# Allegro board 1156197-TDI_VU3P_QSFP28_CXP_V001_1023A-166-20241121_1644_PCB.brd (continued)
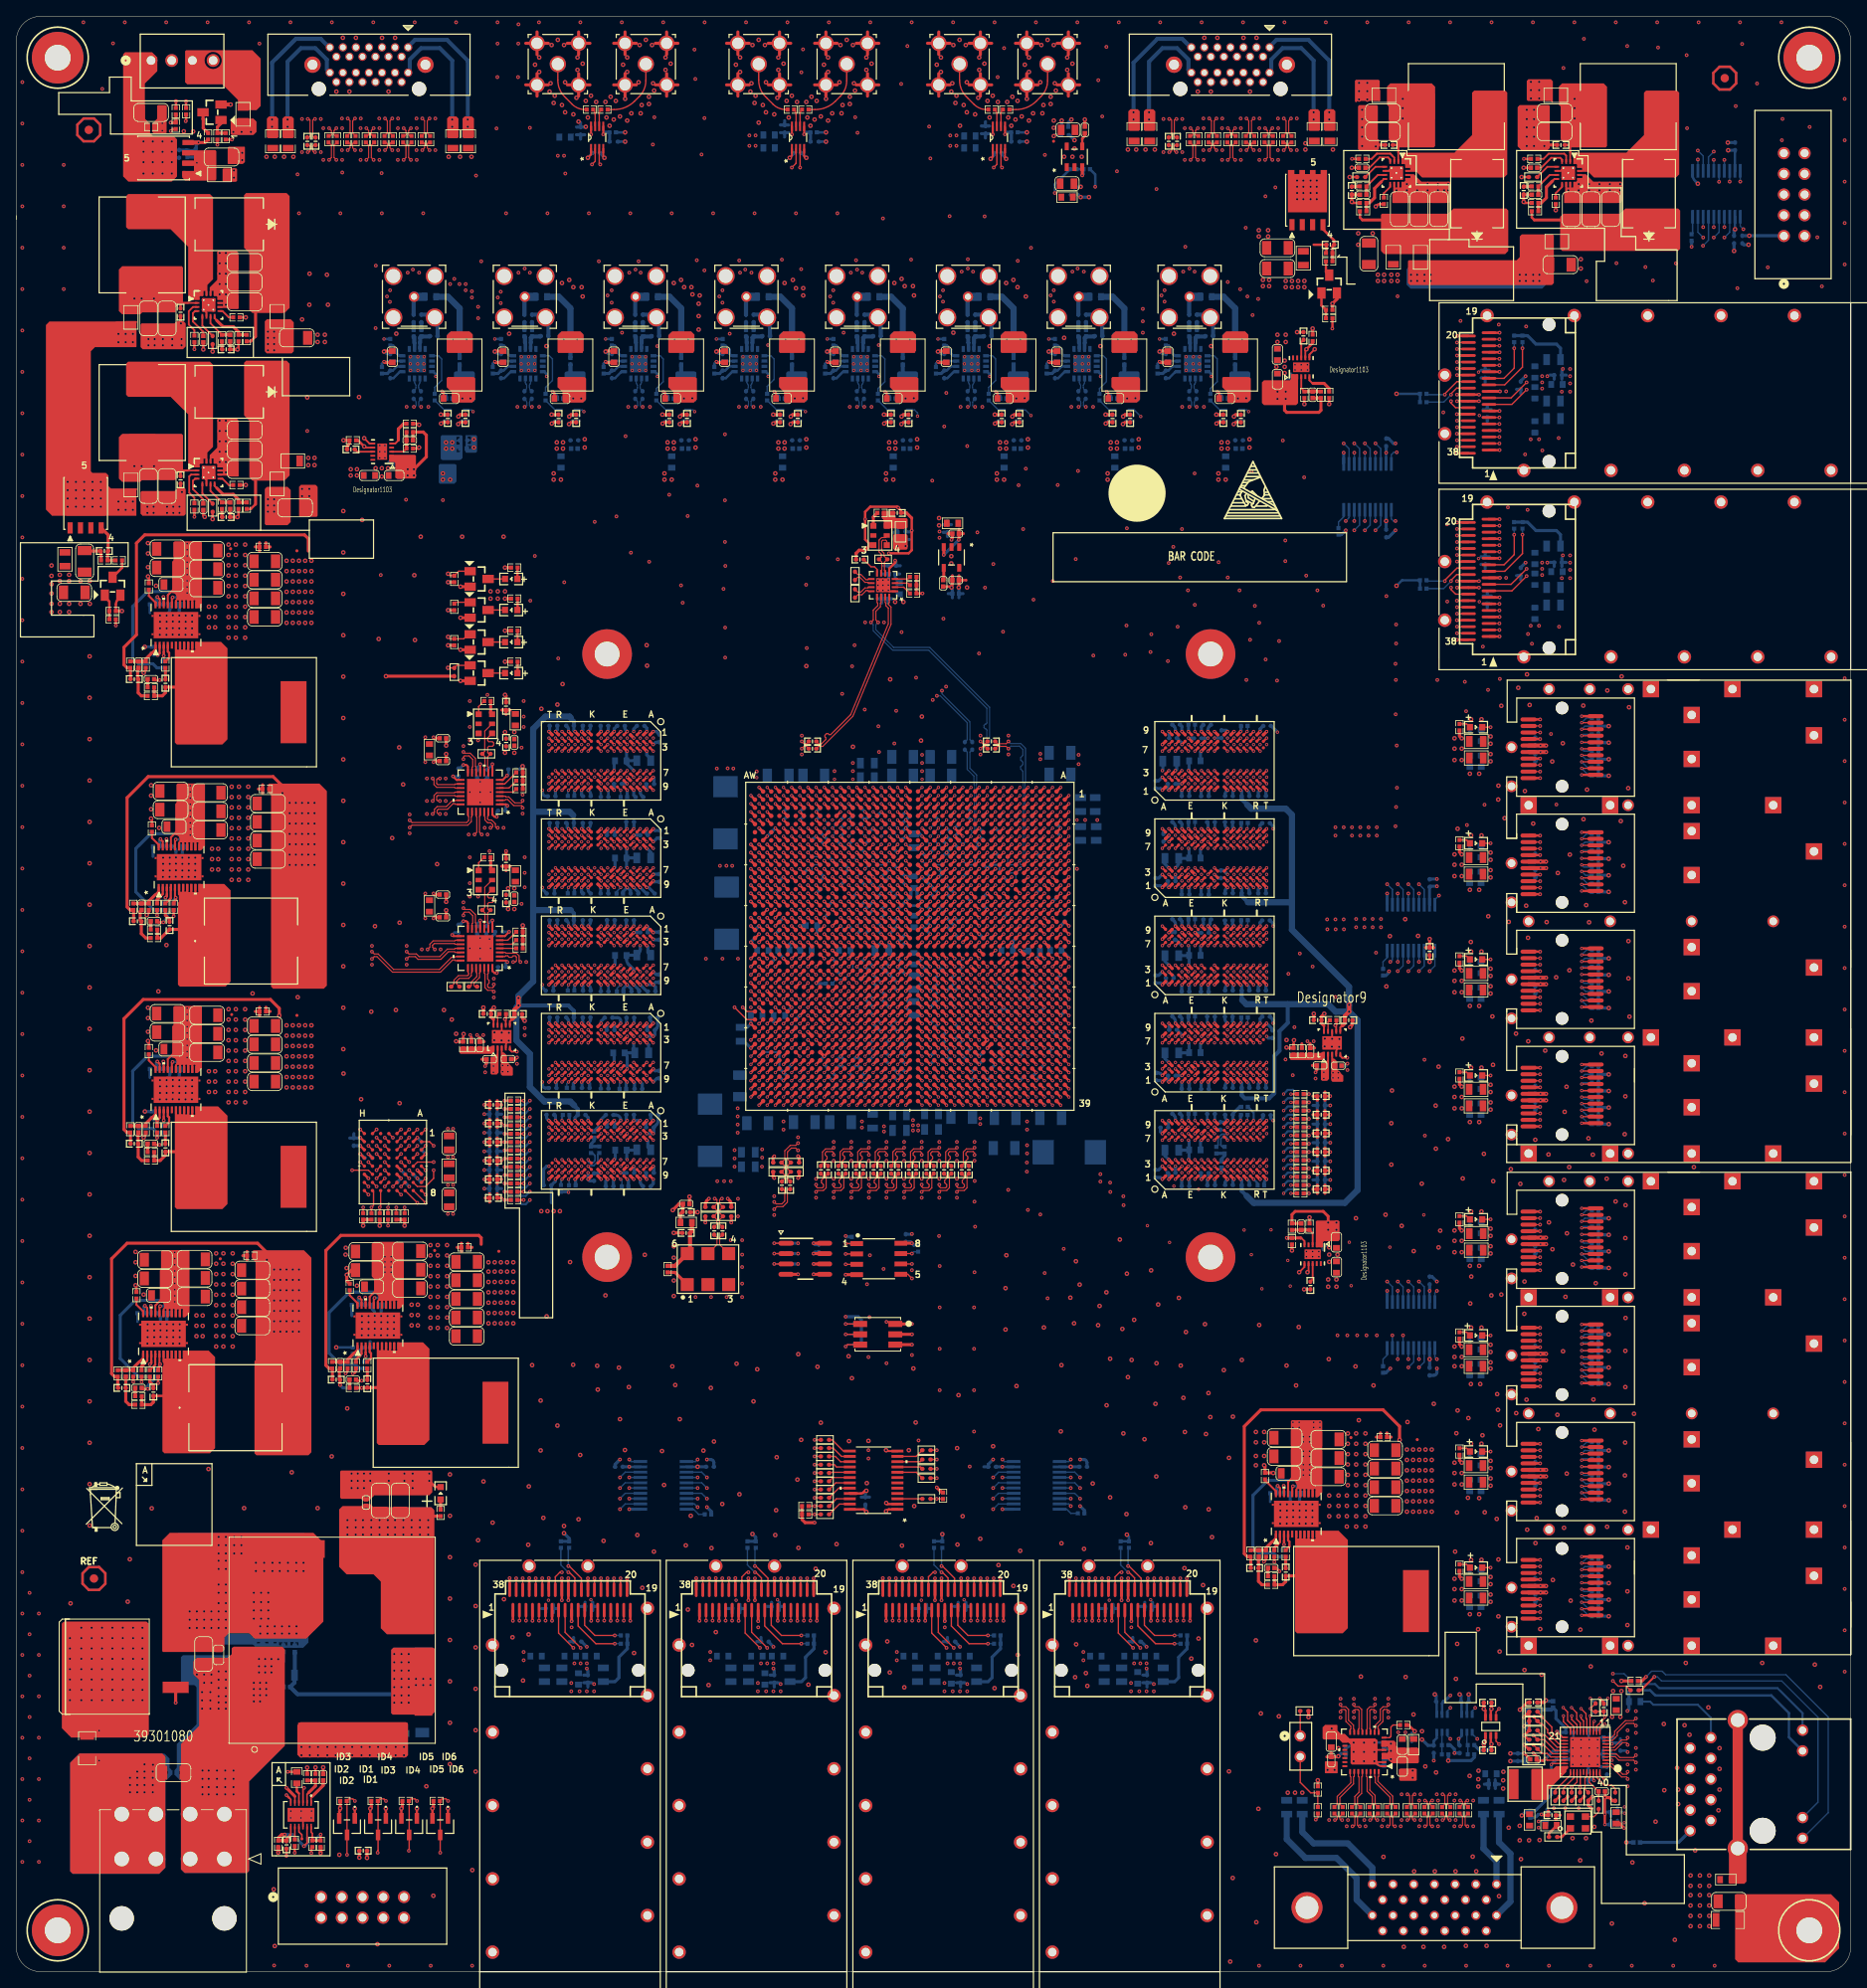
[diagram p0: board, top side]
## Placement (name value [footprint] x y rotation side) (continued)
C781  0.1UF  [C0402_BGA]  128.63 225.43 0 bottom
C782  10uF  [C0402]  95.63 186.94 0 bottom
C783  10uF  [C0402]  149.99 186.94 0 bottom
C784  10nF  [C0402]  131.06 226.06 270 top
C785  0.1UF  [C0402_BGA]  95.63 187.96 0 bottom
C786  0.1UF  [C0402_BGA]  149.99 187.96 0 bottom
C787  10nF  [C0402]  34.16 39.62 90 bottom
C788  10uF  [C1206]  27.99 39.52 270 bottom
C789  10uF  [C1206]  23.47 39.5 270 bottom
C790  1UF  [C0603]  24.82 38.89 90 top
C791  0.1UF  [C0402]  30.73 39.62 90 bottom
C792  1000PF  [C0402]  31.75 39.62 90 bottom
C793  10uF  [C1206]  21.21 39.5 270 bottom
C794  0.1UF  [C0402]  29.72 39.62 90 bottom
C795  10uF  [C1206]  47.09 57.84 90 top
C796  10uF  [C1206]  44.68 57.84 90 top
C797  0.1UF  [C0402]  42.9 57.58 270 top
C798  10nF  [C0402]  33.2 34.95 0 bottom
C799  1000pF  [C1206]  49.78 30.68 270 bottom
C800  10uF  [C1206]  19.28 24.43 0 top
C801  10nF  [C0402]  19.28 24.43 180 bottom
C802  10uF  [C1206]  25.7 39.52 270 bottom
C803  10uF  [C1206]  22.99 38.99 270 top
C804  0.1UF  [C0402]  32.77 39.62 90 bottom
C805  0.1UF  [C0402_BGA]  33.13 15.58 270 top
C806  47nF  [C0402]  37.64 23.88 90 top
C807  10uF  [C1206]  18.49 182.35 270 top
C808  10uF  [C1206]  16.21 182.35 270 top
C809  10uF  [C1206]  16.21 182.35 270 bottom
C810  0.1UF  [C0402_BGA]  20.14 183.11 270 top
C811  10uF  [C1206]  28.02 186.79 180 top
C812  10uF  [C1206]  28.02 189.2 180 top
C813  10uF  [C1206]  28.02 184.38 180 top
C814  10uF  [C1206]  34.2 179.67 0 top
C815  47nF  [C0402]  22.94 179.81 90 top
C816  100PF  [C0402]  26.24 179.93 270 top
C817  0.1UF  [C0402_BGA]  25.73 178.54 0 top
C818  10uF  [C1206]  18.49 202.92 270 top
C819  10uF  [C1206]  16.21 202.92 270 bottom
C820  10uF  [C1206]  16.21 202.92 270 top
C821  10uF  [C1206]  28.02 209.78 180 top
C822  10uF  [C1206]  28.02 207.37 180 top
C823  10uF  [C1206]  28.02 204.95 180 top
C824  10uF  [C1206]  34.42 200.53 0 top
C825  0.1UF  [C0402_BGA]  20.14 203.68 270 top
C826  47nF  [C0402]  22.94 200.38 90 top
C827  100PF  [C0402]  26.24 200.51 270 top
C828  0.1UF  [C0402_BGA]  25.73 199.11 0 top
C829  10uF  [C1206]  167.61 228.14 180 bottom
C830  10uF  [C1206]  167.61 225.86 180 top
C831  10uF  [C1206]  167.61 228.14 180 top
C832  10uF  [C1206]  169.65 216.33 90 top
C833  10uF  [C1206]  172.06 216.33 90 top
C834  10uF  [C1206]  174.47 216.33 90 top
C835  0.1UF  [C0402_BGA]  168.38 224.21 180 top
C836  10uF  [C1206]  165.9 210.86 90 top
C837  47nF  [C0402]  165.07 221.41 0 top
C838  100PF  [C0402]  165.2 218.11 180 top
C839  0.1UF  [C0402_BGA]  163.8 218.62 270 top
C840  10uF  [C1206]  188.7 228.14 180 bottom
C841  10uF  [C1206]  188.7 225.86 180 top
C842  10uF  [C1206]  188.7 228.14 180 top
C843  10uF  [C1206]  193.14 216.33 90 top
C844  10uF  [C1206]  195.55 216.33 90 top
C845  10uF  [C1206]  189.39 209.51 0 top
C846  10uF  [C1206]  190.73 216.33 90 top
C847  0.1UF  [C0402_BGA]  189.46 224.21 180 top
C848  47nF  [C0402]  186.16 221.41 0 top
C849  100PF  [C0402]  186.28 218.11 180 top
C850  0.1UF  [C0402_BGA]  184.89 218.62 270 top
C851  0.47UF  [C0402_BGA]  108.05 179.04 0 top
C852  0.47UF  [C0402_BGA]  109.07 176.25 90 bottom
C853  10uF  [C0402]  108.05 176.25 90 bottom
C854  10uF  [C0402]  106.53 168.5 180 bottom
C855  10uF  [C0402]  107.42 171.55 180 bottom
C856  0.1UF  [C0402_BGA]  107.42 172.57 180 bottom
C857  0.1UF  [C0402_BGA]  103.48 173.33 0 top
C858  0.47UF  [C0402_BGA]  60.07 136.14 90 top
C859  0.47UF  [C0402_BGA]  60.07 131.7 270 top
C860  10uF  [C0402]  52.32 132.21 0 top
C861  10uF  [C0402]  61.09 131.7 270 top
C862  10uF  [C0402]  52.32 129.41 0 top
C863  0.1UF  [C0402_BGA]  57.66 127.89 270 bottom
C864  0.1UF  [C0402_BGA]  54.23 128.02 90 bottom
C865  0.1UF  [C0402_BGA]  59.56 123.32 0 bottom
C866  0.1UF  [C0402_BGA]  56.52 127.89 90 bottom
C867  0.1UF  [C0402_BGA]  59.18 127.64 0 bottom
C868  0.47UF  [C0402_BGA]  60.07 155.32 90 top
C869  0.47UF  [C0402_BGA]  60.07 150.88 270 top
C870  10uF  [C0402]  61.09 150.88 270 top
C871  10uF  [C0402]  52.32 151.38 0 top
C872  10uF  [C0402]  52.32 148.59 0 top
C873  0.1UF  [C0402_BGA]  59.56 142.49 0 bottom
C874  0.1UF  [C0402_BGA]  57.78 147.07 270 bottom
C875  0.1UF  [C0402_BGA]  54.23 147.19 90 bottom
C876  0.1UF  [C0402_BGA]  56.52 147.07 90 bottom
C877  0.1UF  [C0402_BGA]  60.83 147.57 180 bottom
C878  0.1UF  [C0402_BGA]  104.14 57.78 90 bottom
C879  0.1UF  [C0402_BGA]  141.35 224.66 270 top
C880  0.1UF  [C0402_BGA]  142.37 224.66 270 top
C881  0.1UF  [C0402_BGA]  35.69 224.66 270 top
C882  0.1UF  [C0402_BGA]  36.7 224.66 270 top
C883  0.1UF  [C0402_BGA]  94.23 226.19 90 bottom
C884  0.1UF  [C0402_BGA]  95.76 223.22 0 bottom
C885  0.1UF  [C0402_BGA]  69.22 225.93 90 bottom
C886  0.1UF  [C0402_BGA]  71.12 223.22 0 bottom
C887  0.1UF  [C0402_BGA]  118.87 226.06 90 bottom
C888  0.1UF  [C0402_BGA]  120.4 223.22 0 bottom
C889  0.1UF  [C0402]  170.76 28.75 0 bottom
C890  1UF  [C0603]  170 27.86 90 top
C891  1UF  [C0603]  161.29 28.24 90 top
C892  1UF  [C0603]  170 25.2 270 top
C893  0.1UF  [C0402]  161.29 25.96 90 top
C894  0.1UF  [C0402]  163.07 27.18 270 bottom
C895  0.1UF  [C0402]  167.77 25.7 90 bottom
C896  0.1UF  [C0402]  167.77 27.74 270 bottom
C897  1000pF  [C1206]  210.06 8.64 180 top
C898  22UF  [C1206]  25.17 222.73 0 top
C899  0.1UF  [C0402_BGA]  22 223.24 90 bottom
C900  0.1UF  [C0402_BGA]  19.96 223.11 90 bottom
C901  22UF  [C1206]  16.54 228.19 0 top
C902  22UF  [C1206]  8.38 173.1 270 top
C903  0.1UF  [C0402_BGA]  10.79 174.37 0 top
C905  22UF  [C1206]  7.11 169.29 0 top
C906  22UF  [C1206]  154.69 209.04 180 top
C907  22UF  [C1206]  154.69 211.58 180 top
C908  0.1UF  [C0402_BGA]  161.16 211.96 0 top
C909  0.1UF  [C0402_BGA]  111.6 130.35 90 bottom
C910  0.1UF  [C0402_BGA]  108.6 126.36 270 bottom
C911  0.1UF  [C0402_BGA]  111.6 128.36 90 bottom
C912  0.1UF  [C0402_BGA]  107.6 121.36 270 bottom
C913  0.1UF  [C0402_BGA]  105.6 121.36 270 bottom
C914  0.1UF  [C0402_BGA]  114.6 121.35 90 bottom
C915  0.1UF  [C0402_BGA]  105.6 128.36 270 bottom
C916  0.1UF  [C0402_BGA]  106.6 130.36 270 bottom
C917  0.1UF  [C0402_BGA]  107.6 136.36 270 bottom
C918  0.1UF  [C0402_BGA]  104.6 130.36 270 bottom
C919  0.1UF  [C0402_BGA]  177.04 27.3 90 bottom
C920  0.1UF  [C0402_BGA]  177.67 33.15 0 bottom
C922  0.1UF  [C0402_BGA]  174.62 33.15 0 bottom
C923  0.1UF  [C0402_BGA]  173.86 27.3 90 bottom
D1  BAT54SLT1G  [SOT-23]  51.99 17.81 180 top
D2  BAT54SLT1G  [SOT-23]  48.18 17.81 180 top
D3  BAT54SLT1G  [SOT-23]  44.37 17.81 180 top
D4  BAT54SLT1G  [SOT-23]  40.56 17.81 180 top
D5  B540C-13-F  [SMC]  26.11 193.9 180 top
D6  B540C-13-F  [SMC]  26.11 214.48 180 top
D7  B540C-13-F  [SMC]  179.17 218.24 90 top
D8  B540C-13-F  [SMC]  200.25 218.24 90 top
DS1  SML-LX0603GW-TR  [LED_0603]  60.71 159.38 180 top
DS2  SML-LX0603GW-TR  [LED_0603]  60.71 163.19 180 top
DS3  SML-LX0603GW-TR  [LED_0603]  60.71 170.94 180 top
DS4  SML-LX0603GW-TR  [LED_0603]  179.05 49.59 0 top
DS5  SML-LX0603GW-TR  [LED_0603]  179.05 63.84 0 top
DS6  SML-LX0603GW-TR  [LED_0603]  179.05 78.09 0 top
DS7  SML-LX0603GW-TR  [LED_0603]  179.05 92.34 0 top
DS8  SML-LX0603GW-TR  [LED_0603]  179.05 110 0 top
DS9  SML-LX0603GW-TR  [LED_0603]  179.05 124.25 0 top
DS10  SML-LX0603GW-TR  [LED_0603]  179.05 138.5 0 top
DS11  SML-LX0603GW-TR  [LED_0603]  179.05 152.75 0 top
DS12  SML-LX0603GW-TR  [LED_0603]  60.71 167.13 180 top
DS13  SML-LX0603GW-TR  [LED_0603]  52.04 58.72 90 top
J1  JTAG  [SBH11-PBPC-D05-ST-BK]  37.39 9.17 0 top
J2  CONN_2X5_DNP  [SBH11-PBPC-D05-ST-BK]  216.81 213.04 90 top
J3  -  [CON_2]  157.48 27.66 270 top
J4  -  [THS103J]  105.66 78.23 270 top
J5  FS1-Z38-20Z6-60  [QSFP_38]  180.63 186.77 90 top
J6  U95-T1Y1-100A  [CON_AMP_U95_T_1Y1_100A]  188 185.36 270 top
J7  FS1-Z38-20Z6-60  [QSFP_38]  180.63 163.88 90 top
J8  U95-T1Y1-100A  [CON_AMP_U95_T_1Y1_100A]  188 162.48 270 top
J9  FS1-Z38-20Z6-60  [QSFP_38]  60.91 44.37 0 top
J10  U95-T1Y1-100A  [CON_AMP_U95_T_1Y1_100A]  59.51 37 180 top
J11  FS1-Z38-20Z6-60  [QSFP_38]  83.8 44.37 0 top
J12  U95-T1Y1-100A  [CON_AMP_U95_T_1Y1_100A]  82.4 37 180 top
J13  FS1-Z38-20Z6-60  [QSFP_38]  106.68 44.37 0 top
J14  U95-T1Y1-100A  [CON_AMP_U95_T_1Y1_100A]  105.28 37 180 top
J15  FS1-Z38-20Z6-60  [QSFP_38]  129.57 44.37 0 top
J16  U95-T1Y1-100A  [CON_AMP_U95_T_1Y1_100A]  128.17 37 180 top
J17  034-1028-12G  [HD-BNC_5PIN]  62.38 205.58 180 top
J18  034-1028-12G  [HD-BNC_5PIN]  48.79 205.58 180 top
J19  034-1028-12G  [HD-BNC_5PIN]  89.55 205.58 180 top
J20  034-1028-12G  [HD-BNC_5PIN]  75.96 205.58 180 top
J21  034-1028-12G  [HD-BNC_5PIN]  116.73 205.58 180 top
J22  034-1028-12G  [HD-BNC_5PIN]  103.14 205.58 180 top
J23  034-1028-12G  [HD-BNC_5PIN]  143.91 205.58 180 top
J24  034-1028-12G  [HD-BNC_5PIN]  130.32 205.58 180 top
J25  KRJ-320DNL  [KRJ-320DNL_14P]  214.2 23.01 90 top
J26  -  [0039301080]  25.53 13.84 0 top
J27  -  [12226-1150-00FR]  148.92 234.06 0 top
J28  -  [12226-1150-00FR]  43.26 234.06 0 top
J29  -  [RF2-04A-T-00-50-G]  91.06 234.14 180 top
J30  -  [RF2-04A-T-00-50-G]  101.85 234.14 180 top
J31  -  [RF2-04A-T-00-50-G]  66.42 234.14 180 top
J32  -  [RF2-04A-T-00-50-G]  115.7 234.14 180 top
J33  -  [RF2-04A-T-00-50-G]  77.22 234.14 180 top
J34  -  [RF2-04A-T-00-50-G]  126.49 234.14 180 top
J35  -  [10226-6212PC]  173.94 7.87 180 top
J36  -  [0022112042]  16.52 234.58 0 top
L1  BLM18SG121TN1D  [L0603]  110.11 128.91 90 bottom
L2  BLM18SG121TN1D  [L0603]  110.11 133.73 270 bottom
L3  BLM21SN300SN1D  [L0805]  53.09 98.3 90 top
L4  BLM18SG121TN1D  [L0603]  82.17 91.95 180 top
L5  BLM21SN300SN1D  [L0805]  108.33 103.25 180 bottom
L6  BLM21SN300SN1D  [L0805]  179.05 47.89 0 top
L7  BLM21SN300SN1D  [L0805]  179.05 45.86 0 top
L8  BLM21SN300SN1D  [L0805]  179.05 62.12 0 top
L9  BLM21SN300SN1D  [L0805]  179.05 60.08 0 top
L10  BLM21SN300SN1D  [L0805]  179.05 76.34 0 top
L11  BLM21SN300SN1D  [L0805]  179.05 74.31 0 top
L12  BLM21SN300SN1D  [L0805]  179.07 90.59 0 top
L13  BLM21SN300SN1D  [L0805]  179.07 88.56 0 top
L14  BLM21SN300SN1D  [L0805]  179.05 108.3 0 top
L15  BLM21SN300SN1D  [L0805]  179.05 106.27 0 top
L16  BLM21SN300SN1D  [L0805]  179.05 122.52 0 top
L17  BLM21SN300SN1D  [L0805]  179.05 120.49 0 top
L18  BLM21SN300SN1D  [L0805]  179.05 136.75 0 top
L19  BLM21SN300SN1D  [L0805]  179.05 134.72 0 top
L20  BLM21SN300SN1D  [L0805]  179.07 151 0 top
L21  BLM21SN300SN1D  [L0805]  179.07 148.96 0 top
L22  BLM21SN300SN1D  [L0805]  188.55 192.78 180 bottom
L23  BLM21SN300SN1D  [L0805]  188.55 197.86 180 bottom
L24  BLM21SN300SN1D  [L0805]  188.55 190.62 180 bottom
L25  BLM21SN300SN1D  [L0805]  188.55 169.9 180 bottom
L26  BLM21SN300SN1D  [L0805]  188.55 174.98 180 bottom
L27  BLM21SN300SN1D  [L0805]  188.55 167.74 180 bottom
L28  BLM21SN300SN1D  [L0805]  66.93 36.45 90 bottom
L29  BLM21SN300SN1D  [L0805]  72.01 36.45 90 bottom
L30  BLM21SN300SN1D  [L0805]  64.77 36.45 90 bottom
L31  BLM21SN300SN1D  [L0805]  89.81 36.45 90 bottom
L32  BLM21SN300SN1D  [L0805]  87.66 36.45 90 bottom
L33  BLM21SN300SN1D  [L0805]  94.89 36.45 90 bottom
L34  BLM21SN300SN1D  [L0805]  112.7 36.45 90 bottom
L35  BLM21SN300SN1D  [L0805]  110.54 36.45 90 bottom
L36  BLM21SN300SN1D  [L0805]  117.78 36.45 90 bottom
L37  BLM21SN300SN1D  [L0805]  135.59 36.45 90 bottom
L38  BLM21SN300SN1D  [L0805]  140.67 36.45 90 bottom
L39  BLM21SN300SN1D  [L0805]  133.43 36.45 90 bottom
L40  BLM15BX182SN1D  [L0402]  58.44 196.56 90 bottom
L41  BLM15BX182SN1D  [L0402]  44.85 196.56 90 bottom
L42  10uH  [1812PS]  54.38 197.2 270 top
L43  10uH  [1812PS]  67.96 197.2 270 top
L44  180nH  [L0603]  50.81 205.58 0 bottom
L45  180nH  [L0603]  64.4 205.58 0 bottom
L46  BLM15BX182SN1D  [L0402]  85.62 196.56 90 bottom
L47  BLM15BX182SN1D  [L0402]  72.03 196.56 90 bottom
L48  10uH  [1812PS]  95.14 197.2 270 top
L49  10uH  [1812PS]  81.55 197.2 270 top
L50  180nH  [L0603]  91.57 205.58 0 bottom
L51  180nH  [L0603]  77.99 205.58 0 bottom
L52  BLM15BX182SN1D  [L0402]  112.8 196.56 90 bottom
L53  BLM15BX182SN1D  [L0402]  99.21 196.56 90 bottom
L54  10uH  [1812PS]  122.32 197.2 270 top
L55  10uH  [1812PS]  108.73 197.2 270 top
L56  180nH  [L0603]  118.75 205.58 0 bottom
L57  180nH  [L0603]  105.16 205.58 0 bottom
L58  BLM15BX182SN1D  [L0402]  139.97 196.56 90 bottom
L59  BLM15BX182SN1D  [L0402]  126.38 196.56 90 bottom
L60  10uH  [1812PS]  149.5 197.2 270 top
L61  10uH  [1812PS]  135.91 197.2 270 top
L62  180nH  [L0603]  145.93 205.58 0 bottom
L63  180nH  [L0603]  132.34 205.58 0 bottom
L64  BLM18SG121TN1D  [L0603]  185.95 25.94 0 bottom
L65  BLM18SG121TN1D  [L0603]  188.24 17.94 0 top
L66  -  [NRS4018T2R2MDGJ]  185.07 23.02 0 top
L67  BLM18SG121TN1D  [L0603]  198.5 33.15 0 bottom
L68  BLM18SG121TN1D_DNP  [L0603]  209.68 11.3 0 top
L69  BLM18SG121TN1D  [L0603]  196.24 32.8 270 top
L70  BLM18SG121TN1D  [L0603]  196.24 18.88 90 top
L71  BLM18SG121TN1D  [L0603]  185.61 18.63 90 top
L72  BLM18SG121TN1D  [L0603]  186.08 32.16 0 bottom
L73  0.44UH  [PA0513_441NLT]  52.58 68.61 180 top
L74  0.44UH  [PA0513_441NLT]  27.81 97.56 180 top
L75  0.56uH  [IHLP4040DZERR]  26.89 69.22 0 top
L76  0.44UH  [PA0513_441NLT]  165.48 45.49 180 top
L77  0.56uH  [IHLP4040DZERR]  28.79 126.5 0 top
L78  0.44UH  [PA0513_441NLT]  27.81 154.58 180 top
L79  BLM18SG121TN1D  [L0603]  114.83 177.77 0 top
L80  BLM18SG121TN1D  [L0603]  53.21 185.29 90 bottom
L81  BLM18SG121TN1D  [L0603]  107.57 185.29 90 bottom
L82  BLM18SG121TN1D  [L0603]  128.88 217.81 180 top
L83  BLM18SG121TN1D  [L0603]  66.8 185.29 90 bottom
L84  BLM18SG121TN1D  [L0603]  121.16 185.29 90 bottom
L85  BLM18SG121TN1D  [L0603]  80.39 185.29 90 bottom
L86  BLM18SG121TN1D  [L0603]  134.75 185.29 90 bottom
L87  BLM18SG121TN1D  [L0603]  93.98 185.29 90 bottom
L88  BLM18SG121TN1D  [L0603]  148.34 185.29 90 bottom
L89  BLM21SN300SN1D  [L0805]  14.05 182.47 90 top
L90  10uH  [74437368100]  15.44 191.36 90 top
L91  BLM21SN300SN1D  [L0805]  31.99 182.6 270 top
L92  BLM21SN300SN1D_DNP  [L0805]  33.91 185.42 0 top
L93  BLM21SN300SN1D  [L0805]  14.05 203.05 90 top
L94  10uH  [74437368100]  15.44 211.94 90 top
L95  BLM21SN300SN1D  [L0805]  31.99 203.18 270 top
L96  BLM21SN300SN1D  [L0805]  167.74 230.3 0 top
L97  10uH  [74437368100]  176.63 228.9 0 top
L98  BLM21SN300SN1D  [L0805]  168.9 210.42 270 top
L99  BLM21SN300SN1D_DNP  [L0805]  172.23 210.42 270 top
L100  BLM21SN300SN1D  [L0805]  188.82 230.3 0 top
L101  10uH  [74437368100]  197.71 228.9 0 top
L102  BLM21SN300SN1D  [L0805]  188.95 212.35 180 top
L103  BLM18SG121TN1D  [L0603]  108.46 176.74 270 top
L104  BLM18SG121TN1D  [L0603]  108.31 169.77 90 bottom
L105  BLM18SG121TN1D  [L0603]  61.21 134.49 270 top
L106  BLM18SG121TN1D  [L0603]  50.67 130.81 270 top
L107  BLM18SG121TN1D  [L0603]  61.21 153.67 270 top
L108  BLM18SG121TN1D  [L0603]  50.67 149.99 270 top
L109  BLM18SG121TN1D  [L0603]  92.33 225.43 0 bottom
L110  BLM18SG121TN1D  [L0603]  92.33 223.85 0 bottom
L111  BLM18SG121TN1D  [L0603]  67.31 225.17 0 bottom
L112  BLM18SG121TN1D  [L0603]  116.97 223.85 0 bottom
L113  BLM18SG121TN1D  [L0603]  116.97 225.3 0 bottom
L114  BLM18SG121TN1D  [L0603]  171.4 27.86 270 top
L115  BLM21SN300SN1D  [L0805]  24.92 220.57 180 top
L116  BLM21SN300SN1D  [L0805]  27.81 227.97 270 top
L117  BLM21SN300SN1D  [L0805]  5.97 173.35 90 top
L118  BLM21SN300SN1D  [L0805]  157.86 210.31 90 top
MH1  MH_125_250  [MH_250H125]  219.92 5.08 0 top
MH2  MH_125_250  [MH_250H125]  5.08 5.08 0 top
MH3  MH_125_250  [MH_250H125]  5.08 234.92 0 top
MH4  MH_125_250  [MH_250H125]  219.92 234.92 0 top
NOREF  -  []  137.47 181.47 0 top
NOREF#2  -  []  532.96 238.79 0 top
NOREF#3  -  []  341.88 3.43 0 top
NOREF#4  -  []  -10.84 16.46 0 top
NOREF#5  -  []  325.53 62.84 0 top
NOREF#6  -  []  -93.34 -70.48 0 top
NOREF#7  -  []  325.61 176.87 0 top
NOREF#8  -  []  145.16 173.61 0 top
NOREF#9  -  []  213.45 0 90 top
NOREF#10  -  []  370.08 238.48 0 top
NOREF#11  -  []  0 228.93 0 top
NOREF#12  -  []  217.84 0 90 top
NOREF#13  -  []  498.44 147.42 0 top
NOREF#14  -  []  151 181.36 0 top
NOREF#15  -  []  13.34 57.15 0 top
NOREF#16  -  []  505.36 48.2 0 top
P1  UMAX7412401  [SFP_1X4_CAGE]  220.5 97.02 90 top
P2  UMAX7412401  [SFP_1X4_CAGE]  220.5 157.42 90 top
Q1  -  [NDS331N]  56.77 159.38 270 top
Q2  -  [NDS331N]  56.77 163.19 270 top
Q3  -  [NDS331N]  56.77 170.94 270 top
Q4  -  [NDS331N]  56.77 167.13 270 top
Q5  PSMN1R1-40BS  [PSMN1R1]  11.86 37.44 90 top
Q6  SI7145DP-T1-GE3  [POWERPAK_SO-8]  18.06 222.61 180 top
Q7  -  [NDS331N]  24 228.22 90 top
Q8  SI7145DP-T1-GE3  [POWERPAK_SO-8]  8.51 180.21 90 top
Q9  -  [NDS331N]  11.81 170.05 0 top
Q10  SI7145DP-T1-GE3  [POWERPAK_SO-8]  158.37 217.42 90 top
Q11  -  [NDS331N]  161.04 207.14 0 top
R1  0R  [R0402_BGA]  105.09 135.86 0 bottom
R2  4K7  [R0402_BGA]  113.59 136.33 270 bottom
R3  4K7  [R0402_BGA]  112.11 136.86 0 bottom
R4  0R  [R0402_BGA]  112.09 135.86 0 bottom
R5  1K  [R0402_BGA]  114.09 137.86 180 bottom
R6  1K  [R0402_BGA]  113.11 138.86 0 bottom
R7  499R  [R0402]  61.09 160.78 0 top
R8  1K  [R0402_BGA]  112.11 137.86 180 bottom
R9  1K  [R0402_BGA]  111.6 139.35 90 bottom
R10  4K7  [R0402_BGA]  53.72 159.51 90 top
R11  1K  [R0402_BGA]  117.6 137.36 270 bottom
R12  1K  [R0402_BGA]  118.11 135.86 0 bottom
R13  1K  [R0402_BGA]  117.11 138.86 180 bottom
R14  1K  [R0402_BGA]  115.6 138.36 270 bottom
R15  1K  [R0402_BGA]  115.09 136.86 0 bottom
R16  1K  [R0402_BGA]  116.6 137.36 90 bottom
R17  4K7  [R0402]  40.13 20.95 180 top
R18  4K7  [R0402]  43.94 20.95 180 top
R19  4K7  [R0402]  47.75 20.95 180 top
R20  4K7  [R0402]  51.56 20.95 180 top
R21  1K  [R0402_BGA]  104.09 117.86 0 bottom
R22  4K7  [R0402]  102.49 89.79 270 bottom
R23  4K7  [R0402]  110.62 88.77 270 bottom
R24  4K7  [R0402]  47.62 92.71 90 top
R25  4K7  [R0402]  44.58 92.71 90 top
R26  4K7  [R0402]  42.55 92.71 90 top
R27  4K7  [R0402]  46.61 92.71 90 top
R28  4K7  [R0402]  43.56 92.71 90 top
R29  0R  [R0402]  45.59 92.71 270 top
R30  1K  [R0402_BGA]  115.6 121.35 270 bottom
R31  240R  [R0402_BGA]  128.6 118.35 90 bottom
R32  4K7  [R0402]  205.49 212.85 90 bottom
R33  1K  [R0402_BGA]  115.6 116.35 270 bottom
R34  0R  [R0402_BGA]  157.99 32 180 top
R35  4K7  [R0402]  159.64 22.35 90 top
R36  240R  [R0402_BGA]  120.11 117.86 180 bottom
R37  1K  [R0402_BGA]  103.6 122.37 270 bottom
R38  1K  [R0402_BGA]  87.19 92.71 180 top
R39  1K  [R0402_BGA]  85.03 92.71 0 top
R40  1K  [R0402_BGA]  87.19 93.85 0 top
R41  1K  [R0402_BGA]  85.03 93.85 180 top
R42  240R  [R0402_BGA]  92.6 123.37 270 bottom
R43  1K  [R0402_BGA]  95.5 98.17 0 top
R44  1K  [R0402_BGA]  95.5 99.31 180 top
R45  4K7_DNP  [R0402]  99.69 121.28 0 bottom
R46  0R  [R0402_BGA]  103.11 123.86 180 bottom
R47  1K  [R0402_BGA]  93.34 98.17 180 top
R48  1K  [R0402_BGA]  93.34 99.31 0 top
R49  4K7  [R0402]  79.88 86.23 270 top
R50  499R  [R0402]  61.09 164.59 0 top
R51  499R  [R0402]  61.09 172.34 0 top
R52  4K7  [R0402]  94.23 89.41 180 bottom
R53  4K7  [R0402]  94.23 88.14 180 bottom
R54  4K7  [R0402]  94.23 86.87 180 bottom
R55  4K7  [R0402]  103.25 79.5 180 bottom
R56  4K7  [R0402]  103.25 78.23 180 bottom
R57  4K7  [R0402]  103.25 76.96 180 bottom
R58  1K  [R0402]  53.72 163.19 90 top
R59  1K  [R0402]  53.72 170.94 90 top
R60  1K  [R0402_BGA]  103.6 134.36 270 bottom
R61  1K  [R0402_BGA]  103.6 130.36 90 bottom
R62  240R  [R0402_BGA]  102.6 132.36 90 bottom
R63  240R  [R0402_BGA]  102.6 137.36 270 bottom
R64  100R  [R0402_BGA]  97.6 136.35 270 bottom
R65  1K  [R0402_BGA]  97.09 134.86 180 bottom
R66  1K  [R0402_BGA]  99.11 136.86 0 bottom
R67  1K  [R0402_BGA]  98.6 135.35 90 bottom
R68  1K  [R0402_BGA]  97.6 138.36 270 bottom
R69  1K  [R0402_BGA]  104.11 128.86 0 bottom
R70  240R  [R0402_BGA]  102.11 127.86 180 bottom
R71  1K  [R0402_BGA]  115.6 127.35 270 bottom
R72  1K  [R0402_BGA]  116.11 134.86 0 bottom
R73  240R  [R0402_BGA]  115.6 129.36 90 bottom
R74  240R  [R0402_BGA]  116.6 132.36 90 bottom
R75  100R  [R0402_BGA]  122.6 135.35 270 bottom
R76  1K  [R0402_BGA]  122.09 133.86 180 bottom
R77  1K  [R0402_BGA]  121.09 136.86 180 bottom
R78  1K  [R0402_BGA]  121.09 134.86 0 bottom
R79  1K  [R0402_BGA]  121.09 135.86 0 bottom
R80  1K  [R0402_BGA]  115.6 123.35 270 bottom
R81  240R  [R0402_BGA]  126.09 123.86 0 bottom
R82  100R  [R0402_BGA]  91.6 112.35 270 bottom
R83  100R  [R0402_BGA]  92.09 139.86 180 bottom
R84  499R  [R0402]  68.05 120.42 0 bottom
R85  240R  [R0402]  74.07 120.32 180 bottom
R86  499R  [R0402]  68.05 132.36 0 bottom
R87  240R  [R0402]  74.02 132.33 180 bottom
R88  499R  [R0402]  68.05 144.3 0 bottom
R89  499R  [R0402]  68.2 96.52 0 bottom
R90  240R  [R0402]  74.52 144.17 180 bottom
R91  240R  [R0402]  74.68 96.39 180 bottom
R92  39R2  [R0402]  61.06 95.73 0 bottom
R93  4K7  [R0402]  66.8 96.14 90 bottom
R94  4K7  [R0402]  67.44 105.16 180 bottom
R95  39R2  [R0402]  61.06 102.84 180 bottom
R96  39R2  [R0402]  61.06 99.8 180 top
R97  39R2  [R0402]  61.06 101.83 180 top
R98  39R2  [R0402]  61.06 98.78 180 bottom
R99  39R2  [R0402]  61.06 102.84 180 top
R100  39R2  [R0402]  61.06 97.76 180 top
R101  39R2  [R0402]  61.06 104.88 180 bottom
R102  39R2  [R0402]  61.06 98.78 180 top
R103  39R2  [R0402]  61.06 104.88 180 top
R104  39R2  [R0402]  61.06 99.8 180 bottom
R105  39R2  [R0402]  61.06 101.83 180 bottom
R106  39R2  [R0402]  61.06 103.86 180 bottom
R107  39R2  [R0402]  61.06 97.76 180 bottom
R108  39R2  [R0402]  61.06 96.75 180 bottom
R109  39R2  [R0402]  61.06 105.89 180 top
R110  39R2  [R0402]  61.06 96.75 180 top
R111  10K  [R0402]  55.83 113.74 270 top
R112  4K7  [R0402]  59.66 117.55 180 top
R113  39R2  [R0402]  61.06 105.89 180 bottom
R114  39R2  [R0402]  61.06 94.72 180 top
R115  10K  [R0402]  54.81 113.74 270 top
R116  39R2  [R0402]  61.06 94.72 180 bottom
R117  39R2  [R0402]  61.06 95.73 180 top
R118  39R2  [R0402]  61.06 106.91 180 top
R119  39R2  [R0402]  61.06 100.81 180 top
R120  39R2  [R0402]  61.06 106.91 180 bottom
R121  499R  [R0402]  67.92 108.48 0 bottom
R122  39R2  [R0402]  61.06 100.81 180 bottom
R123  240R  [R0402]  74.4 108.36 180 bottom
R124  39R2  [R0402]  61.06 103.86 180 top
R125  36R  [R0402]  70.48 100.89 90 bottom
R126  36R  [R0402]  71.5 100.89 90 bottom
R127  499R  [R0402]  150.65 129.06 180 bottom
R128  240R  [R0402]  144.17 129.18 0 bottom
R129  499R  [R0402]  150.65 141 180 bottom
R130  240R  [R0402]  144.17 141.12 0 bottom
R131  499R  [R0402]  150.62 152.91 180 bottom
R132  499R  [R0402]  150.65 117.12 180 bottom
R133  240R  [R0402]  144.17 153.06 0 bottom
R134  240R  [R0402]  144.17 117.25 0 bottom
R135  39R2  [R0402]  157.51 106.71 180 top
R136  4K7  [R0402]  150.65 106.15 0 bottom
R137  4K7  [R0402]  152.65 96.52 180 bottom
R138  39R2  [R0402]  157.51 101.63 0 top
R139  39R2  [R0402]  157.51 102.64 0 bottom
R140  39R2  [R0402]  157.51 99.59 0 top
R141  39R2  [R0402]  157.51 104.67 0 top
R142  39R2  [R0402]  157.51 99.59 0 bottom
R143  39R2  [R0402]  157.51 105.69 0 bottom
R144  39R2  [R0402]  157.51 97.56 0 bottom
R145  39R2  [R0402]  157.51 105.69 0 top
R146  39R2  [R0402]  157.51 97.56 0 top
R147  39R2  [R0402]  157.51 103.66 0 bottom
R148  39R2  [R0402]  157.51 100.61 0 bottom
R149  39R2  [R0402]  157.51 98.58 0 top
R150  39R2  [R0402]  157.51 103.66 0 top
R151  39R2  [R0402]  157.51 104.67 0 bottom
R152  39R2  [R0402]  157.51 96.55 0 top
R153  39R2  [R0402]  157.51 106.71 0 bottom
R154  4K7  [R0402]  161.52 116.79 180 top
R155  10K  [R0402]  157.68 112.98 270 top
R156  39R2  [R0402]  157.51 101.63 0 bottom
R157  39R2  [R0402]  157.51 107.72 0 bottom
R158  10K  [R0402]  156.67 112.98 270 top
R159  39R2  [R0402]  157.51 96.55 0 bottom
R160  39R2  [R0402]  157.51 107.72 0 top
R161  39R2  [R0402]  157.51 95.53 0 top
R162  39R2  [R0402]  157.51 98.58 0 bottom
R163  39R2  [R0402]  157.51 95.53 0 bottom
R164  499R  [R0402]  150.62 105.16 180 bottom
R165  39R2  [R0402]  157.51 102.64 0 top
R166  240R  [R0402]  144.17 105.31 0 bottom
R167  39R2  [R0402]  157.51 100.61 0 top
R168  36R  [R0402]  148.21 100.84 270 bottom
R169  36R  [R0402]  147.19 100.84 270 bottom
R170  4K7  [R0402]  193.66 45.66 180 bottom
R171  4K7  [R0402]  193.66 48.7 180 bottom
R172  4K7  [R0402]  193.66 43.63 180 bottom
R173  4K7  [R0402]  193.66 44.64 180 bottom
R174  4K7  [R0402]  193.66 46.67 180 bottom
R175  4K7  [R0402]  193.66 47.69 180 bottom
R176  4K7  [R0402]  193.66 50.74 180 bottom
R177  4K7  [R0402]  193.66 49.72 180 bottom
R178  4K7  [R0402]  193.66 57.87 180 bottom
R179  4K7  [R0402]  193.66 58.89 180 bottom
R180  4K7  [R0402]  193.66 59.91 180 bottom
R181  4K7  [R0402]  193.66 60.92 180 bottom
R182  4K7  [R0402]  193.66 61.94 180 bottom
R183  4K7  [R0402]  193.66 62.95 180 bottom
R184  4K7  [R0402]  193.66 64.99 180 bottom